# Altium PCB Brake Module PCB.PcbDoc (part 3 of 3)
Units mm, origin at the board's own origin, x right, y up, seen from the top; angles counter-clockwise.
Board outline 88.4 x 110.16 mm, 4 copper layers (Top Layer, Int1 (GND), Int2 (PWR), Bottom Layer), stack 1.369 mm thick; 168 components, 99 nets, 551 pads, 223 vias.
Unrouted connection lines stored in the file: 3.
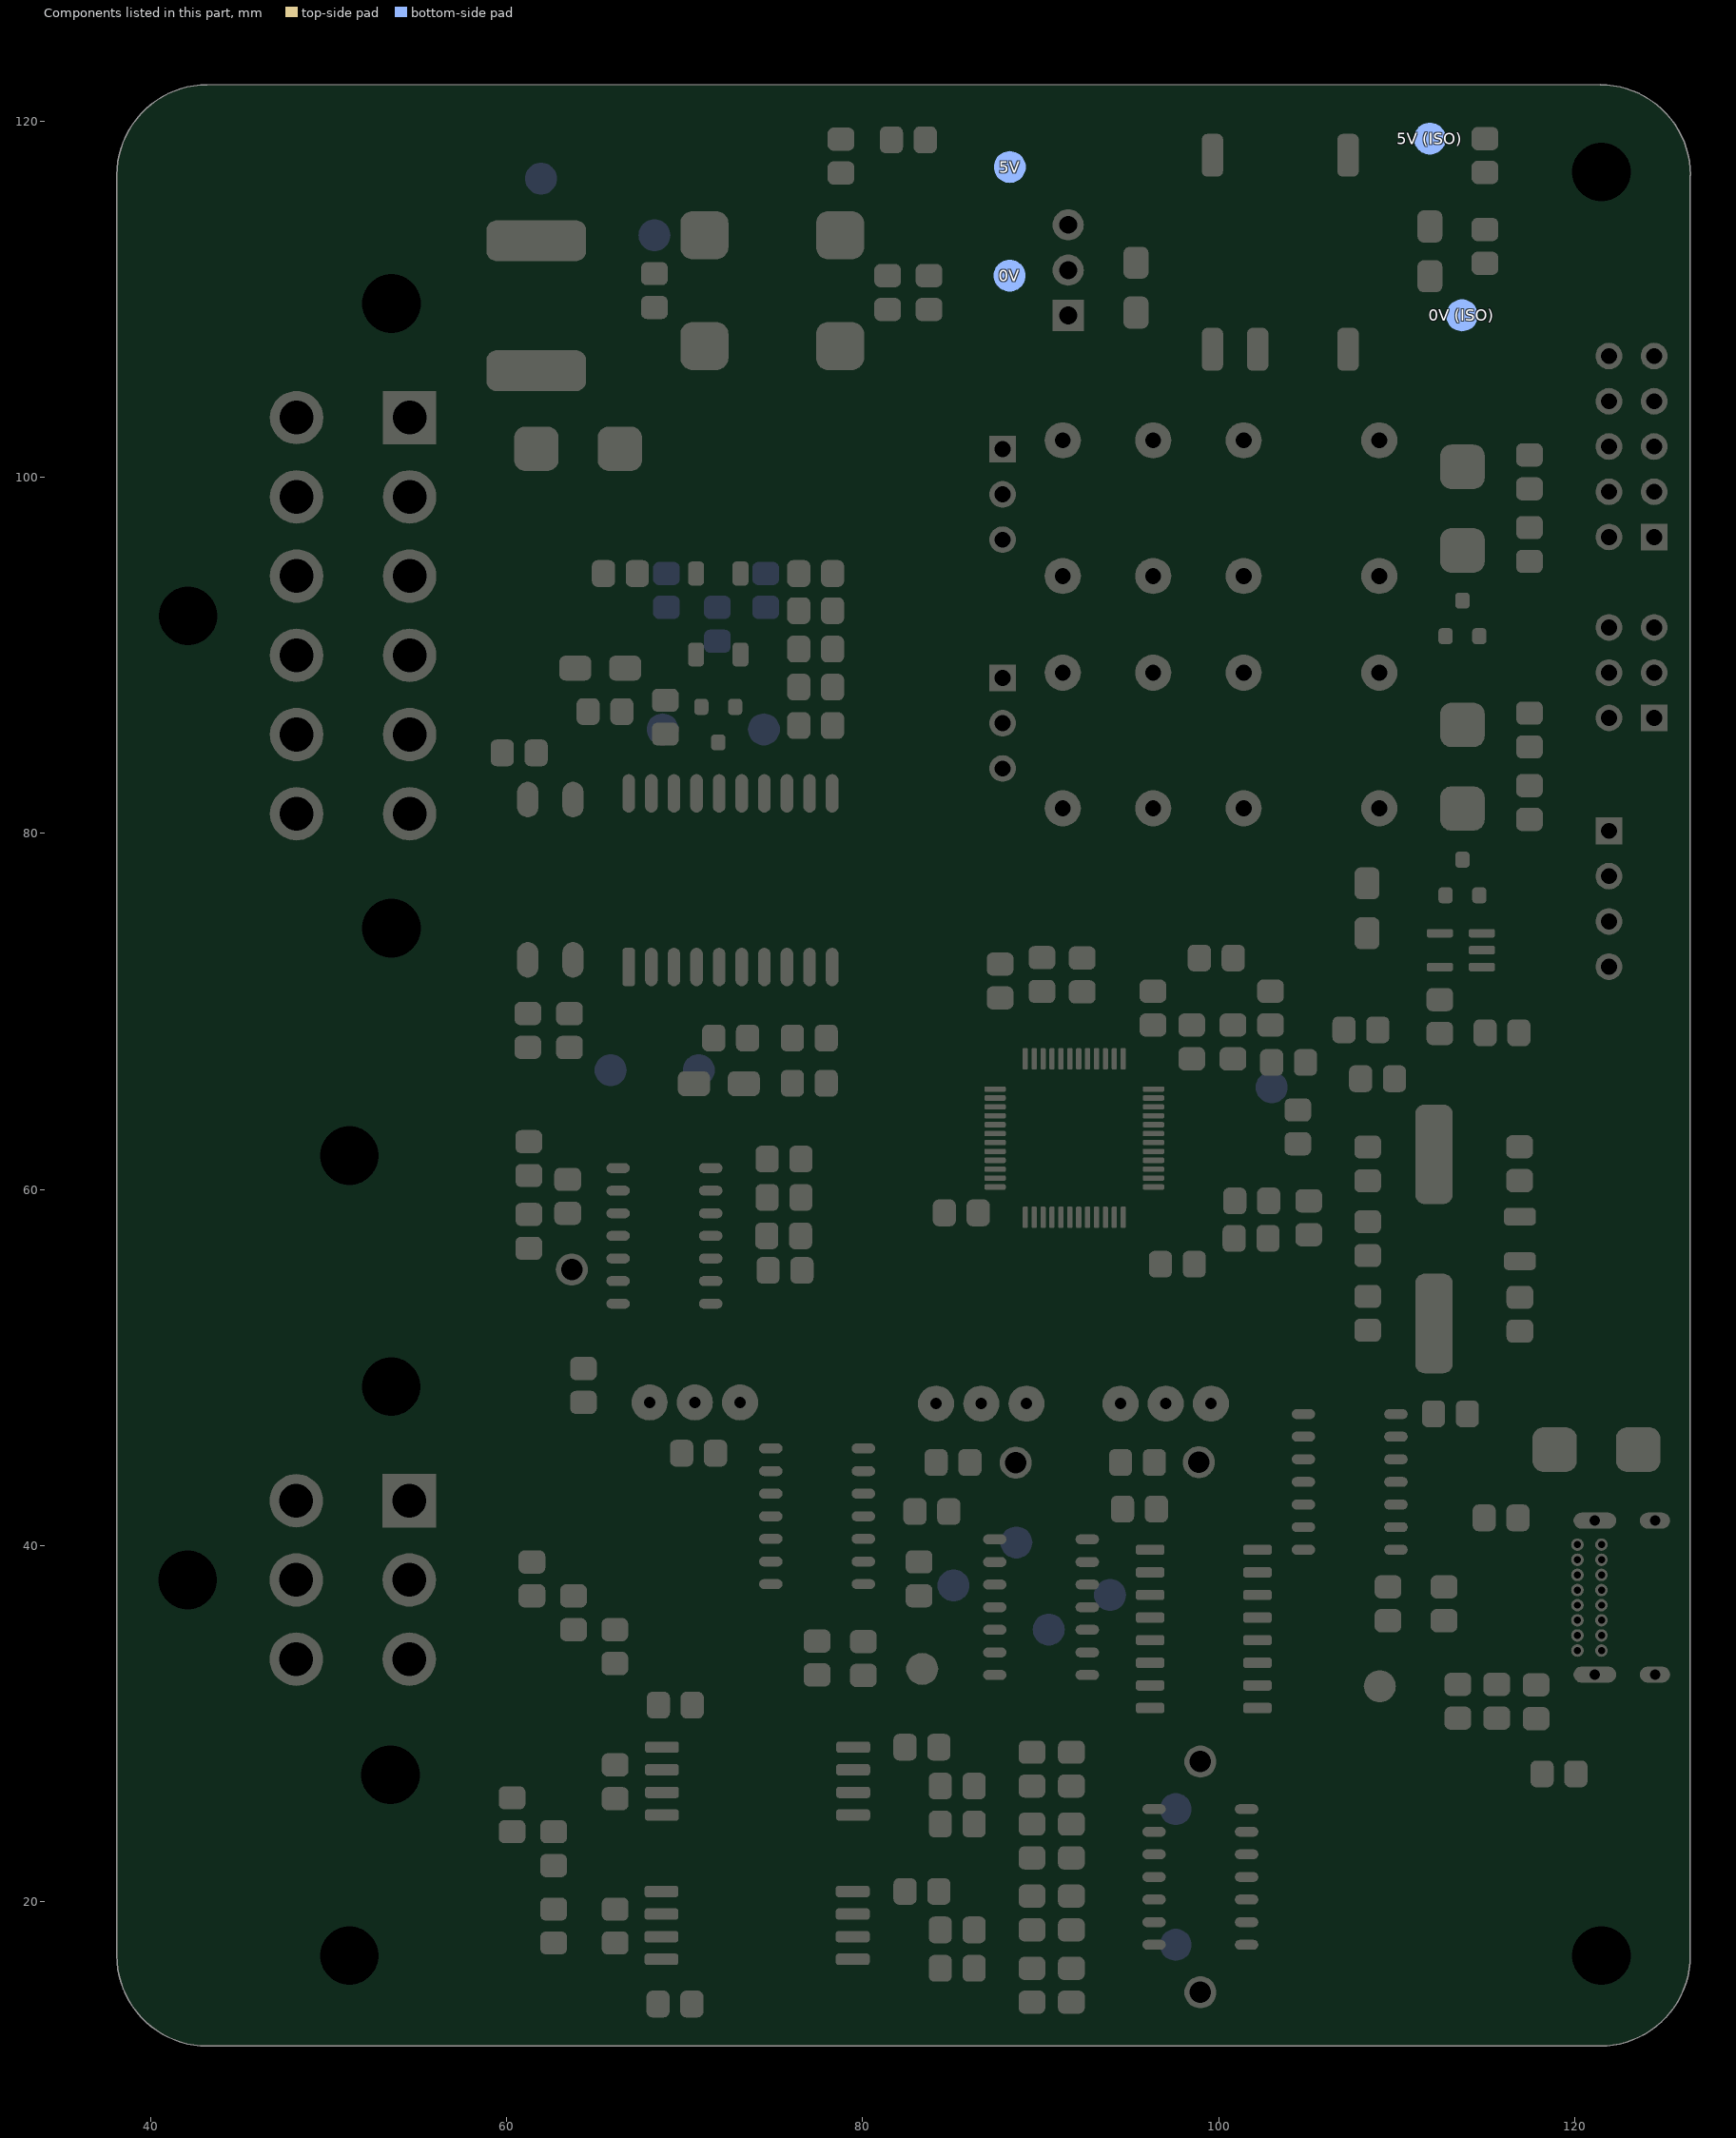
[diagram p5: the components of this part, seen from the top]

## Polygon pours and split planes (outlines as drawn)
"0V (ISO)" on Bottom Layer "0V_(ISO)_L04_P025" (solid, remove dead copper, pour order 25): 75.95,11.696 75.95,33.427 75.765,33.999 60.109,49.75 60.109,75.338 106.65,75.475 106.65,121.825 106.65,122.075 121.397,122.072 122.366,121.959 123.081,121.769 124.399,121.084 125.13,120.518 126.125,119.081 126.479,117.453 126.479,16.863 126.125,15.07 125.13,13.505 123.76,12.359 122.174,11.95 121.463,11.891
0V on Bottom Layer "0V_L04_P006" (solid, remove dead copper, pour order 6): 72.125,12 72.099,12.026 72.099,32.319 56.249,48.169 56.249,77.79 56.642,78.647 57.567,79.31 102.8,79.41 102.8,122.025 43.45,121.925 42.75,121.9 42.175,121.825 41.35,121.575 40.525,121.15 39.925,120.7 39.175,119.9 38.95,119.55 38.525,118.675 38.325,117.9 38.225,117.2 38.225,17.092 38.209,16.839 38.4,15.675 38.575,15.15 38.825,14.6 39.1,14.15 39.4,13.775 39.65,13.475 40.175,13.025 40.763,12.638 42,12.15 42.85,12.025 43.35,12.025
"0V (ISO)" on Top Layer "0V_(ISO)_L01_P021" (solid, remove dead copper, pour order 21): 75.95,11.696 75.95,33.427 75.765,33.999 60.109,49.75 60.109,75.338 106.65,75.475 106.65,121.825 106.65,122.075 121.397,122.072 122.366,121.959 123.081,121.769 124.399,121.084 125.13,120.518 126.125,119.081 126.479,117.453 126.479,16.863 126.125,15.07 125.13,13.505 123.76,12.359 122.174,11.95 121.463,11.891
0V on Top Layer "0V_L01_P019" (solid, remove dead copper, pour order 19): 72.096,11.844 72.07,11.871 72.07,32.163 56.22,48.013 56.22,77.634 56.614,78.492 57.539,79.154 102.771,79.255 102.771,121.869 43.421,121.769 42.721,121.744 42.146,121.669 41.321,121.419 40.496,120.994 39.896,120.544 39.146,119.744 38.921,119.394 38.496,118.519 38.296,117.744 38.196,117.044 38.196,16.937 38.18,16.683 38.371,15.519 38.546,14.994 38.796,14.444 39.071,13.994 39.371,13.619 39.621,13.319 40.146,12.869 40.734,12.482 41.971,11.994 42.821,11.869 43.321,11.869
no net on Top Layer "NONET_L01_P000" (solid, remove dead copper, pour order 0): 289.179,0.127
0V on Int1 (GND) (split plane): 102.782,79.311 58.191,79.311 58.001,79.302 57.812,79.274 57.628,79.228 57.448,79.163 57.276,79.082 57.112,78.984 56.959,78.87 56.818,78.742 56.69,78.601 56.576,78.448 56.478,78.285 56.397,78.112 56.333,77.933 56.286,77.748 56.258,77.559 56.249,77.369 56.249,48.92 56.258,48.739 56.258,48.73 56.286,48.541 56.333,48.357 56.397,48.177 56.478,48.005 56.576,47.841 56.69,47.688 56.818,47.547 72.099,32.266 72.099,12.398 43.18,12.398 43.162,12.396 42.881,12.405 42.583,12.434 42.288,12.483 41.997,12.551 41.71,12.638 41.43,12.743 41.158,12.867 40.894,13.008 40.64,13.166 40.397,13.34 40.166,13.53 39.947,13.734 39.743,13.953 39.553,14.184 39.379,14.427 39.221,14.681 39.08,14.945 38.956,15.218 38.851,15.498 38.764,15.784 38.696,16.075 38.647,16.37 38.618,16.668 38.609,16.949 38.61,16.967 38.61,116.967 38.609,116.985 38.618,117.266 38.647,117.564 38.696,117.859 38.764,118.151 38.851,118.437 38.956,118.717 39.08,118.989 39.221,119.253 39.379,119.507 39.553,119.751 39.743,119.982 39.947,120.2 40.166,120.405 40.397,120.594 40.64,120.769 40.894,120.927 41.158,121.068 41.43,121.191 41.71,121.297 41.997,121.383 42.288,121.451 42.583,121.5 42.881,121.529 43.162,121.539 43.18,121.537 43.183,121.537 102.782,121.539
"0V (ISO)" on Int1 (GND) (split plane): 121.422,121.537 121.422,121.539 121.452,121.538 121.455,121.538 121.721,121.529 122.019,121.5 122.314,121.451 122.606,121.383 122.892,121.297 123.172,121.191 123.444,121.068 123.708,120.927 123.962,120.769 124.205,120.594 124.437,120.405 124.655,120.2 124.86,119.982 125.049,119.751 125.224,119.507 125.382,119.253 125.523,118.989 125.646,118.717 125.751,118.437 125.838,118.151 125.906,117.859 125.955,117.564 125.984,117.266 125.991,117.063 125.982,116.967 125.982,16.967 125.983,16.949 125.974,16.668 125.945,16.37 125.896,16.075 125.828,15.784 125.741,15.498 125.636,15.218 125.512,14.945 125.371,14.681 125.213,14.427 125.039,14.184 124.849,13.953 124.645,13.734 124.426,13.53 124.195,13.34 123.952,13.166 123.698,13.008 123.434,12.867 123.162,12.743 122.882,12.638 122.595,12.551 122.304,12.483 122.009,12.434 121.711,12.405 121.43,12.396 121.412,12.398 75.983,12.398 75.983,33.071 75.974,33.252 75.974,33.261 75.946,33.45 75.9,33.635 75.835,33.814 75.754,33.986 75.695,34.084 75.656,34.15 75.542,34.303 75.53,34.316 75.414,34.444 60.134,49.725 60.134,75.427 104.724,75.427 104.915,75.436 105.103,75.464 105.288,75.51 105.467,75.574 105.64,75.656 105.803,75.754 105.956,75.867 106.098,75.995 106.226,76.137 106.339,76.29 106.437,76.453 106.519,76.626 106.583,76.805 106.629,76.99 106.657,77.179 106.667,77.369 106.667,121.539 121.395,121.54
5V on Int2 (PWR) (split plane): 102.782,79.311 58.191,79.311 58.001,79.302 57.812,79.274 57.628,79.228 57.448,79.163 57.276,79.082 57.112,78.984 56.959,78.87 56.818,78.742 56.69,78.601 56.576,78.448 56.478,78.285 56.397,78.112 56.333,77.933 56.286,77.748 56.258,77.559 56.249,77.369 56.249,48.92 56.258,48.73 56.286,48.541 56.333,48.357 56.397,48.177 56.478,48.005 56.576,47.841 56.69,47.688 56.818,47.547 72.099,32.266 72.099,12.398 43.18,12.398 43.162,12.396 42.881,12.405 42.583,12.434 42.288,12.483 41.997,12.551 41.71,12.638 41.43,12.743 41.158,12.867 40.894,13.008 40.64,13.166 40.397,13.34 40.166,13.53 39.947,13.734 39.743,13.953 39.553,14.184 39.379,14.427 39.221,14.681 39.08,14.945 38.956,15.218 38.851,15.498 38.764,15.784 38.696,16.075 38.647,16.37 38.618,16.668 38.609,16.949 38.61,16.967 38.61,116.967 38.609,116.985 38.618,117.266 38.647,117.564 38.696,117.859 38.764,118.151 38.851,118.437 38.956,118.717 39.08,118.989 39.221,119.253 39.379,119.507 39.553,119.751 39.743,119.982 39.947,120.2 40.166,120.405 40.397,120.594 40.64,120.769 40.894,120.927 41.158,121.068 41.43,121.191 41.71,121.297 41.997,121.383 42.288,121.451 42.583,121.5 42.881,121.529 43.162,121.539 43.18,121.537 43.183,121.537 102.782,121.539
"5V (ISO)" on Int2 (PWR) (split plane): 121.422,121.537 121.422,121.539 121.452,121.538 121.455,121.538 121.721,121.529 122.019,121.5 122.314,121.451 122.606,121.383 122.892,121.297 123.172,121.191 123.444,121.068 123.708,120.927 123.962,120.769 124.205,120.594 124.437,120.405 124.655,120.2 124.86,119.982 125.049,119.751 125.224,119.507 125.382,119.253 125.523,118.989 125.646,118.717 125.751,118.437 125.838,118.151 125.906,117.859 125.955,117.564 125.984,117.266 125.991,117.063 125.982,116.967 125.982,16.967 125.983,16.949 125.974,16.668 125.945,16.37 125.896,16.075 125.828,15.784 125.741,15.498 125.636,15.218 125.512,14.945 125.371,14.681 125.213,14.427 125.039,14.184 124.849,13.953 124.645,13.734 124.426,13.53 124.195,13.34 123.952,13.166 123.698,13.008 123.434,12.867 123.162,12.743 122.882,12.638 122.595,12.551 122.304,12.483 122.009,12.434 121.711,12.405 121.43,12.396 121.412,12.398 75.983,12.398 75.983,33.071 75.974,33.252 75.974,33.261 75.946,33.45 75.9,33.635 75.835,33.814 75.754,33.986 75.695,34.084 75.656,34.15 75.542,34.303 75.53,34.316 75.414,34.444 60.134,49.725 60.134,75.427 81.921,75.427 81.921,51.588 81.93,51.49 81.959,51.396 82.005,51.309 82.068,51.233 82.144,51.17 82.231,51.124 82.325,51.095 82.423,51.086 106.164,51.086 106.262,51.095 106.356,51.124 106.443,51.17 106.519,51.233 106.582,51.309 106.628,51.396 106.657,51.49 106.667,51.588 106.667,77.673 106.667,77.674 106.667,121.539 121.395,121.54
"3.3V (ISO)" on Int2 (PWR) (split plane): 105.662,52.09 82.925,52.09 82.925,75.427 104.724,75.427 104.915,75.436 105.103,75.464 105.288,75.51 105.467,75.574 105.64,75.656 105.662,75.669

## Other copper
Top Layer:
  region: 122.056,69.145 122.056,70.415 118.627,70.415 118.627,69.145
  region: 1693 vertices and 5 holes, not listed, extent 121.38,49.248 125.97,58.111
  region: 615 vertices and 0 holes, not listed, extent 122.214,56.242 124.952,58.261
  region: 122.481,55.14 122.481,55.257 122.498,55.257 122.498,55.357 122.515,55.357 122.531,55.357 122.531,55.457 122.548,55.457 122.548,55.357 122.531,55.357 122.531,55.273 122.515,55.273 122.515,55.257 122.498,55.257 122.498,55.14 122.481,55.14 122.481,55.04 122.465,55.04 122.465,55.14
  region: 123.733,53.421 123.733,53.437 123.75,53.437 123.767,53.437 123.767,53.454 123.783,53.454 123.8,53.454 123.8,53.471 123.817,53.471 123.833,53.471 123.85,53.471 123.867,53.471 123.884,53.471 123.884,53.487 123.9,53.487 123.917,53.487 123.934,53.487 123.934,53.471 123.95,53.471 123.967,53.471 123.984,53.471 124,53.471 124.017,53.471 124.034,53.471 124.034,53.454 124.017,53.454 124,53.454 123.984,53.454 123.967,53.454 123.95,53.454 123.934,53.454 123.917,53.454 123.9,53.454 123.884,53.454 123.867,53.454 123.85,53.454 123.833,53.454 123.817,53.454 123.817,53.437 123.8,53.437 123.783,53.437 123.783,53.421 123.767,53.421 123.75,53.421 123.733,53.421 123.733,53.404 123.717,53.404 123.717,53.421
  region: 123.233,54.973 123.233,54.839 123.249,54.839 123.249,54.689 123.266,54.689 123.266,54.673 123.283,54.673 123.283,54.539 123.299,54.539 123.299,54.405 123.316,54.405 123.316,54.289 123.333,54.289 123.333,54.172 123.349,54.172 123.349,54.122 123.366,54.122 123.366,54.038 123.383,54.038 123.383,53.938 123.399,53.938 123.399,53.838 123.416,53.838 123.416,53.738 123.433,53.738 123.433,53.704 123.45,53.704 123.45,53.638 123.466,53.638 123.466,53.554 123.483,53.554 123.483,53.504 123.5,53.504 123.5,53.437 123.516,53.437 123.516,53.421 123.533,53.421 123.55,53.421 123.55,53.404 123.566,53.404 123.583,53.404 123.6,53.404 123.616,53.404 123.633,53.404 123.65,53.404 123.667,53.404 123.683,53.404 123.683,53.387 123.667,53.387 123.65,53.387 123.633,53.387 123.616,53.387 123.6,53.387 123.583,53.387 123.566,53.387 123.55,53.387 123.533,53.387 123.516,53.387 123.516,53.337 123.533,53.337 123.533,53.27 123.516,53.27 123.516,53.287 123.5,53.287 123.5,53.354 123.483,53.354 123.483,53.437 123.466,53.437 123.466,53.521 123.45,53.521 123.45,53.588 123.433,53.588 123.433,53.638 123.416,53.638 123.416,53.721 123.399,53.721 123.399,53.805 123.383,53.805 123.383,53.921 123.366,53.921 123.366,54.005 123.349,54.005 123.349,54.038 123.333,54.038 123.333,54.138 123.316,54.138 123.316,54.255 123.299,54.255 123.299,54.372 123.283,54.372 123.283,54.489 123.266,54.489 123.266,54.539 123.249,54.539 123.249,54.673 123.233,54.673 123.233,54.823 123.216,54.823 123.216,54.973
  region: 121.814,53.671 121.814,53.754 121.83,53.754 121.83,53.855 121.847,53.855 121.864,53.855 121.864,53.971 121.88,53.971 121.88,54.188 121.897,54.188 121.897,54.138 121.914,54.138 121.914,54.122 121.931,54.122 121.931,54.105 121.947,54.105 121.947,54.072 121.964,54.072 121.964,54.055 121.981,54.055 121.981,54.022 121.964,54.022 121.964,54.038 121.947,54.038 121.947,53.988 121.931,53.988 121.931,53.971 121.947,53.971 121.947,53.921 121.931,53.921 121.931,53.871 121.914,53.871 121.914,53.671 121.897,53.671 121.897,53.571 121.914,53.571 121.914,53.487 121.931,53.487 121.947,53.487 121.947,53.471 121.964,53.471 121.964,53.454 121.981,53.454 121.997,53.454 122.014,53.454 122.031,53.454 122.047,53.454 122.064,53.454 122.064,53.471 122.081,53.471 122.081,53.487 122.097,53.487 122.097,53.504 122.114,53.504 122.114,53.537 122.131,53.537 122.131,53.638 122.148,53.638 122.148,53.571 122.164,53.571 122.164,53.404 122.181,53.404 122.181,53.387 122.198,53.387 122.198,53.371 122.214,53.371 122.231,53.371 122.248,53.371 122.264,53.371 122.264,53.354 122.248,53.354 122.248,53.337 122.231,53.337 122.231,53.32 122.214,53.32 122.214,53.304 122.198,53.304 122.198,53.287 122.181,53.287 122.181,53.27 122.164,53.27 122.164,53.254 122.148,53.254 122.131,53.254 122.131,53.237 122.114,53.237 122.097,53.237 122.081,53.237 122.081,53.22 122.064,53.22 122.047,53.22 122.031,53.22 122.014,53.22 121.997,53.22 121.981,53.22 121.964,53.22 121.964,53.237 121.947,53.237 121.931,53.237 121.931,53.254 121.914,53.254 121.897,53.254 121.897,53.287 121.88,53.287 121.88,53.304 121.864,53.304 121.864,53.32 121.847,53.32 121.847,53.337 121.83,53.337 121.83,53.371 121.814,53.371 121.814,53.421 121.797,53.421 121.797,53.671
  region: 122.648,55.924 122.648,55.991 122.665,55.991 122.665,56.075 122.682,56.075 122.682,56.091 122.698,56.091 122.698,56.175 122.715,56.175 122.715,56.225 122.732,56.225 122.732,56.175 122.715,56.175 122.715,56.091 122.698,56.091 122.698,56.025 122.682,56.025 122.682,55.991 122.665,55.991 122.665,55.924 122.648,55.924 122.648,55.841 122.632,55.841 122.632,55.924
  region: 122.565,55.557 122.565,55.641 122.582,55.641 122.582,55.724 122.598,55.724 122.598,55.741 122.615,55.741 122.615,55.824 122.632,55.824 122.632,55.741 122.615,55.741 122.615,55.657 122.598,55.657 122.598,55.641 122.582,55.641 122.582,55.557 122.565,55.557 122.565,55.474 122.548,55.474 122.548,55.557
  region: 123.182,55.307 123.182,55.257 123.199,55.257 123.199,55.14 123.182,55.14 123.182,55.19 123.166,55.19 123.166,55.307
  region: 123.633,53.921 123.633,53.938 123.65,53.938 123.65,53.921 123.633,53.921 123.633,53.888 123.616,53.888 123.616,53.921
  region: 123.683,53.905 123.7,53.905 123.717,53.905 123.717,53.938 123.733,53.938 123.733,53.871 123.75,53.871 123.767,53.871 123.783,53.871 123.783,53.971 123.8,53.971 123.8,53.921 123.817,53.921 123.817,53.888 123.833,53.888 123.833,53.855 123.85,53.855 123.85,53.838 123.833,53.838 123.817,53.838 123.817,53.855 123.8,53.855 123.783,53.855 123.767,53.855 123.75,53.855 123.733,53.855 123.733,53.838 123.717,53.838 123.717,53.821 123.7,53.821 123.683,53.821 123.683,53.838 123.667,53.838 123.667,53.905
  region: 123.616,54.005 123.616,54.022 123.633,54.022 123.633,54.005 123.616,54.005 123.616,53.971 123.6,53.971 123.6,54.005
  region: 123.6,54.239 123.616,54.239 123.616,54.205 123.633,54.205 123.633,54.188 123.65,54.188 123.65,54.155 123.633,54.155 123.633,54.172 123.616,54.172 123.616,54.188 123.6,54.188 123.6,54.205 123.583,54.205 123.583,54.239
  region: 123.6,53.02 123.616,53.02 123.616,52.953 123.6,52.953 123.6,52.987 123.583,52.987 123.583,53.02
  region: 191 vertices and 1 holes, not listed, extent 122.899,51.384 123.566,52.603
  region: 123.75,52.603 123.75,52.553 123.767,52.553 123.767,52.536 123.75,52.536 123.733,52.536 123.733,52.603
  region: 123.683,52.77 123.683,52.753 123.7,52.753 123.7,52.703 123.683,52.703 123.683,52.72 123.667,52.72 123.667,52.77
  region: 122.415,54.756 122.415,54.89 122.431,54.89 122.431,54.906 122.448,54.906 122.448,55.023 122.465,55.023 122.465,54.906 122.448,54.906 122.448,54.773 122.431,54.773 122.431,54.756 122.415,54.756 122.415,54.622 122.398,54.622 122.398,54.756
  region: 122.014,54.005 122.014,53.988 122.031,53.988 122.031,53.971 122.014,53.971 121.997,53.971 121.997,54.005
  region: 96.133,61.138
  region net NetC5_2: 70.612,89.893
  region: 68.694,20.574
  pour cut-out: 121,12.85 120.425,12.975 119.725,13.25 118.95,13.725 118.112,14.562 117.675,15.35 117.4,16.55 117.4,17.225 117.525,18.05 118.037,19.338 118.7,20 119.4,20.525 120.35,20.925 121.75,21.075 122.75,20.9 123.45,20.625 124.525,19.8 124.975,19.225 125.425,18.325 125.625,17.375 125.65,16.7 125.525,16 125.2,15.1 124.2,13.85 123.525,13.35 122.575,12.95 121.803,12.822
  pour cut-out: 121.025,113.125 120.45,113.25 119.75,113.525 118.975,114 118.137,114.837 117.7,115.625 117.425,116.825 117.425,117.5 117.55,118.325 118.062,119.613 118.725,120.275 119.425,120.8 120.375,121.2 121.775,121.35 122.775,121.175 123.475,120.9 124.55,120.075 125,119.5 125.45,118.6 125.65,117.65 125.675,116.975 125.55,116.275 125.225,115.375 124.225,114.125 123.55,113.625 122.6,113.225 121.828,113.097
  text "15/04/2020 - T.B." at 123.783,63.62 h1.02 r90
  text "Brake Module R4" at 122.843,63.445 h1.02 r90
  text "Formula SAE" at 121.956,59.494 h1.78 r90
  text "Team Swinburne" at 120.559,48.301 h3.05 r90
Bottom Layer:
  region: 122.056,69.145 122.056,70.415 118.627,70.415 118.627,69.145
  region: 1693 vertices and 5 holes, not listed, extent 121.38,49.248 125.97,58.111
  region: 615 vertices and 0 holes, not listed, extent 122.214,56.242 124.952,58.261
  region: 121.814,53.671 121.814,53.754 121.83,53.754 121.83,53.855 121.847,53.855 121.864,53.855 121.864,53.971 121.88,53.971 121.88,54.188 121.897,54.188 121.897,54.138 121.914,54.138 121.914,54.122 121.931,54.122 121.931,54.105 121.947,54.105 121.947,54.072 121.964,54.072 121.964,54.055 121.981,54.055 121.981,54.022 121.964,54.022 121.964,54.038 121.947,54.038 121.947,53.988 121.931,53.988 121.931,53.971 121.947,53.971 121.947,53.921 121.931,53.921 121.931,53.871 121.914,53.871 121.914,53.671 121.897,53.671 121.897,53.571 121.914,53.571 121.914,53.487 121.931,53.487 121.947,53.487 121.947,53.471 121.964,53.471 121.964,53.454 121.981,53.454 121.997,53.454 122.014,53.454 122.031,53.454 122.047,53.454 122.064,53.454 122.064,53.471 122.081,53.471 122.081,53.487 122.097,53.487 122.097,53.504 122.114,53.504 122.114,53.537 122.131,53.537 122.131,53.638 122.148,53.638 122.148,53.571 122.164,53.571 122.164,53.404 122.181,53.404 122.181,53.387 122.198,53.387 122.198,53.371 122.214,53.371 122.231,53.371 122.248,53.371 122.264,53.371 122.264,53.354 122.248,53.354 122.248,53.337 122.231,53.337 122.231,53.32 122.214,53.32 122.214,53.304 122.198,53.304 122.198,53.287 122.181,53.287 122.181,53.27 122.164,53.27 122.164,53.254 122.148,53.254 122.131,53.254 122.131,53.237 122.114,53.237 122.097,53.237 122.081,53.237 122.081,53.22 122.064,53.22 122.047,53.22 122.031,53.22 122.014,53.22 121.997,53.22 121.981,53.22 121.964,53.22 121.964,53.237 121.947,53.237 121.931,53.237 121.931,53.254 121.914,53.254 121.897,53.254 121.897,53.287 121.88,53.287 121.88,53.304 121.864,53.304 121.864,53.32 121.847,53.32 121.847,53.337 121.83,53.337 121.83,53.371 121.814,53.371 121.814,53.421 121.797,53.421 121.797,53.671
  region: 122.565,55.557 122.565,55.641 122.582,55.641 122.582,55.724 122.598,55.724 122.598,55.741 122.615,55.741 122.615,55.824 122.632,55.824 122.632,55.741 122.615,55.741 122.615,55.657 122.598,55.657 122.598,55.641 122.582,55.641 122.582,55.557 122.565,55.557 122.565,55.474 122.548,55.474 122.548,55.557
  region: 123.233,54.973 123.233,54.839 123.249,54.839 123.249,54.689 123.266,54.689 123.266,54.673 123.283,54.673 123.283,54.539 123.299,54.539 123.299,54.405 123.316,54.405 123.316,54.289 123.333,54.289 123.333,54.172 123.349,54.172 123.349,54.122 123.366,54.122 123.366,54.038 123.383,54.038 123.383,53.938 123.399,53.938 123.399,53.838 123.416,53.838 123.416,53.738 123.433,53.738 123.433,53.704 123.45,53.704 123.45,53.638 123.466,53.638 123.466,53.554 123.483,53.554 123.483,53.504 123.5,53.504 123.5,53.437 123.516,53.437 123.516,53.421 123.533,53.421 123.55,53.421 123.55,53.404 123.566,53.404 123.583,53.404 123.6,53.404 123.616,53.404 123.633,53.404 123.65,53.404 123.667,53.404 123.683,53.404 123.683,53.387 123.667,53.387 123.65,53.387 123.633,53.387 123.616,53.387 123.6,53.387 123.583,53.387 123.566,53.387 123.55,53.387 123.533,53.387 123.516,53.387 123.516,53.337 123.533,53.337 123.533,53.27 123.516,53.27 123.516,53.287 123.5,53.287 123.5,53.354 123.483,53.354 123.483,53.437 123.466,53.437 123.466,53.521 123.45,53.521 123.45,53.588 123.433,53.588 123.433,53.638 123.416,53.638 123.416,53.721 123.399,53.721 123.399,53.805 123.383,53.805 123.383,53.921 123.366,53.921 123.366,54.005 123.349,54.005 123.349,54.038 123.333,54.038 123.333,54.138 123.316,54.138 123.316,54.255 123.299,54.255 123.299,54.372 123.283,54.372 123.283,54.489 123.266,54.489 123.266,54.539 123.249,54.539 123.249,54.673 123.233,54.673 123.233,54.823 123.216,54.823 123.216,54.973
  region: 191 vertices and 1 holes, not listed, extent 122.899,51.384 123.566,52.603
  region: 122.648,55.924 122.648,55.991 122.665,55.991 122.665,56.075 122.682,56.075 122.682,56.091 122.698,56.091 122.698,56.175 122.715,56.175 122.715,56.225 122.732,56.225 122.732,56.175 122.715,56.175 122.715,56.091 122.698,56.091 122.698,56.025 122.682,56.025 122.682,55.991 122.665,55.991 122.665,55.924 122.648,55.924 122.648,55.841 122.632,55.841 122.632,55.924
  region: 122.415,54.756 122.415,54.89 122.431,54.89 122.431,54.906 122.448,54.906 122.448,55.023 122.465,55.023 122.465,54.906 122.448,54.906 122.448,54.773 122.431,54.773 122.431,54.756 122.415,54.756 122.415,54.622 122.398,54.622 122.398,54.756
  region: 122.481,55.14 122.481,55.257 122.498,55.257 122.498,55.357 122.515,55.357 122.531,55.357 122.531,55.457 122.548,55.457 122.548,55.357 122.531,55.357 122.531,55.273 122.515,55.273 122.515,55.257 122.498,55.257 122.498,55.14 122.481,55.14 122.481,55.04 122.465,55.04 122.465,55.14
  region: 123.182,55.307 123.182,55.257 123.199,55.257 123.199,55.14 123.182,55.14 123.182,55.19 123.166,55.19 123.166,55.307
  region: 123.633,53.921 123.633,53.938 123.65,53.938 123.65,53.921 123.633,53.921 123.633,53.888 123.616,53.888 123.616,53.921
  region: 123.683,53.905 123.7,53.905 123.717,53.905 123.717,53.938 123.733,53.938 123.733,53.871 123.75,53.871 123.767,53.871 123.783,53.871 123.783,53.971 123.8,53.971 123.8,53.921 123.817,53.921 123.817,53.888 123.833,53.888 123.833,53.855 123.85,53.855 123.85,53.838 123.833,53.838 123.817,53.838 123.817,53.855 123.8,53.855 123.783,53.855 123.767,53.855 123.75,53.855 123.733,53.855 123.733,53.838 123.717,53.838 123.717,53.821 123.7,53.821 123.683,53.821 123.683,53.838 123.667,53.838 123.667,53.905
  region: 123.616,54.005 123.616,54.022 123.633,54.022 123.633,54.005 123.616,54.005 123.616,53.971 123.6,53.971 123.6,54.005
  region: 123.6,54.239 123.616,54.239 123.616,54.205 123.633,54.205 123.633,54.188 123.65,54.188 123.65,54.155 123.633,54.155 123.633,54.172 123.616,54.172 123.616,54.188 123.6,54.188 123.6,54.205 123.583,54.205 123.583,54.239
  region: 123.733,53.421 123.733,53.437 123.75,53.437 123.767,53.437 123.767,53.454 123.783,53.454 123.8,53.454 123.8,53.471 123.817,53.471 123.833,53.471 123.85,53.471 123.867,53.471 123.884,53.471 123.884,53.487 123.9,53.487 123.917,53.487 123.934,53.487 123.934,53.471 123.95,53.471 123.967,53.471 123.984,53.471 124,53.471 124.017,53.471 124.034,53.471 124.034,53.454 124.017,53.454 124,53.454 123.984,53.454 123.967,53.454 123.95,53.454 123.934,53.454 123.917,53.454 123.9,53.454 123.884,53.454 123.867,53.454 123.85,53.454 123.833,53.454 123.817,53.454 123.817,53.437 123.8,53.437 123.783,53.437 123.783,53.421 123.767,53.421 123.75,53.421 123.733,53.421 123.733,53.404 123.717,53.404 123.717,53.421
  region: 123.6,53.02 123.616,53.02 123.616,52.953 123.6,52.953 123.6,52.987 123.583,52.987 123.583,53.02
  region: 123.75,52.603 123.75,52.553 123.767,52.553 123.767,52.536 123.75,52.536 123.733,52.536 123.733,52.603
  region: 123.683,52.77 123.683,52.753 123.7,52.753 123.7,52.703 123.683,52.703 123.683,52.72 123.667,52.72 123.667,52.77
  region: 122.014,54.005 122.014,53.988 122.031,53.988 122.031,53.971 122.014,53.971 121.997,53.971 121.997,54.005
  region net NRST: 102.794,66.853
  pour cut-out: 50.657,21.113 52.5,20.875 53.85,20.125 54.438,19.438 54.9,18.896 55.113,18.263 55.288,16.838 54.95,15.425 54.338,14.413 53.738,13.738 52.063,12.913 50.825,12.8 49.412,13.187 48.163,14.1 47.563,14.975 47.125,16.025 47.125,17.975 47.675,19.225 49.125,20.575
  pour cut-out: 53.95,13.975
  pour cut-out: 50.612,65.913 52.455,65.675 53.805,64.925 54.392,64.238 54.855,63.696 55.067,63.063 55.242,61.638 54.905,60.225 54.292,59.213 53.692,58.538 52.017,57.713 50.78,57.6 49.367,57.988 48.117,58.9 47.517,59.775 47.08,60.825 47.08,62.775 47.63,64.025 49.08,65.375
  pour cut-out: 50.629,20.957 52.471,20.719 53.821,19.969 54.409,19.282 54.871,18.741 55.084,18.107 55.259,16.682 54.921,15.269 54.309,14.257 53.709,13.582 52.034,12.757 50.796,12.644 49.384,13.032 48.134,13.944 47.534,14.819 47.096,15.869 47.096,17.819 47.646,19.069 49.096,20.419
  pour cut-out: 120.775,12.8 120.2,12.925 119.5,13.2 118.725,13.675 117.887,14.512 117.45,15.3 117.175,16.5 117.175,17.175 117.3,18 117.812,19.288 118.475,19.95 119.175,20.475 120.125,20.875 121.525,21.025 122.525,20.85 123.225,20.575 124.3,19.75 124.75,19.175 125.2,18.275 125.4,17.325 125.425,16.65 125.3,15.95 124.975,15.05 123.975,13.8 123.3,13.3 122.35,12.9 121.578,12.772
  pour cut-out: 120.8,113.075 120.225,113.2 119.525,113.475 118.75,113.95 117.912,114.787 117.475,115.575 117.2,116.775 117.2,117.45 117.325,118.275 117.837,119.563 118.5,120.225 119.2,120.75 120.15,121.15 121.55,121.3 122.55,121.125 123.25,120.85 124.325,120.025 124.775,119.45 125.225,118.55 125.425,117.6 125.45,116.925 125.325,116.225 125,115.325 124,114.075 123.325,113.575 122.375,113.175 121.603,113.047
  pour cut-out: 50.612,65.757 52.455,65.519 53.805,64.769 54.392,64.082 54.855,63.541 55.067,62.907 55.242,61.482 54.905,60.069 54.292,59.057 53.692,58.382 52.017,57.557 50.78,57.444 49.367,57.832 48.117,58.744 47.517,59.619 47.08,60.669 47.08,62.619 47.63,63.869 49.08,65.219
  text "15/04/2020 - T.B." at 123.783,63.62 h1.02 r90
  text "Brake Module R4" at 122.843,63.445 h1.02 r90
  text "Formula SAE" at 121.956,59.494 h1.78 r90
  text "Team Swinburne" at 120.559,48.301 h3.05 r90
Int1 (GND) (plane layer: these items are gaps in the copper):
  lines w3.88: 74.041,10.16 74.041,33.071 58.191,48.92 58.191,77.369 104.724,77.369 104.724,123.318
Int2 (PWR) (plane layer: these items are gaps in the copper):
  lines w1: 82.423,77.394 82.423,51.588 106.164,51.588 106.164,77.673
  lines w3.88: 74.041,10.16 74.041,33.071 58.191,48.92 58.191,77.369 104.724,77.369 104.724,123.318

## Silkscreen, mask and mechanical layers (free items; w line width, h text height)
Top Overlay:
  drawing of 40 lines, arcs and shapes, not listed
  text "DELAY" at 85.954,98.4 h1 r90
  text "OKAY" at 85.877,86.563 h1 r90
  text "15/04/2020 - T.B." at 123.783,63.62 h1.02 r90
  text "Brake Module R4" at 122.843,63.445 h1.02 r90
  text "TIMER" at 62.789,63.246 h1
  text "Formula SAE" at 121.956,59.494 h1.78 r90
  text "LOW" at 88.349,52.857 h1
  text "HIGH" at 97.879,52.857 h1
  text "AND" at 105.461,48.666 h1
  text "Team Swinburne" at 120.559,48.301 h3.05 r90
  text "COMPARATOR" at 65.917,44.704 h1 r315
  text "NAND" at 88.189,41.631 h1
  text "SHFT" at 98.323,40.919 h1
  text "BSPD" at 107.29,29.456 h1.52
  text "S1" at 95.301,27.364 h1
  text "S2" at 95.134,14.41 h1
Bottom Overlay:
  circle w2.5: c121.5,16.967 r2.9
  circle w2.5: c51.161,16.967 r2.9
  circle w2.5: c51.161,61.795 r2.9
  circle w2.5: c121.5,117.15 r2.9
  lines w1: 82.423,77.369 82.423,51.588 106.164,51.588 106.164,77.673
  lines w3.88: 74.041,10.16 74.041,33.071 58.191,48.92 58.191,77.369 104.724,77.369 104.724,123.241
Drill Drawing:
  circle w0.254: c40.106,184.477 r0.508
  circle w0.254: c40.106,184.477 r0.847
  circle w0.254: c40.106,153.997 r0.847
  lines w0.254: 39.259,145.53 40.953,145.53 40.953,147.223 39.259,147.223 39.259,145.53 ; 39.259,149.763 39.683,149.763 40.106,149.34 40.529,149.763 40.953,149.763 40.529,150.187 40.953,150.61 40.529,150.61 40.106,151.033 39.683,150.61 39.259,150.61 39.683,150.187 39.259,149.763 ; 39.259,156.96 40.106,157.383 40.953,156.96 40.529,157.807 40.953,158.653 40.106,158.23 39.259,158.653 39.683,157.807 39.259,156.96 ; 39.259,162.463 40.953,162.463 40.106,160.77 39.259,162.463 ; 39.259,165.003 39.683,165.003 39.683,164.58 40.529,164.58 40.529,165.003 40.953,165.003 40.953,165.85 40.529,165.85 40.529,166.273 39.683,166.273 39.683,165.85 39.259,165.85 39.259,165.003 ; 39.259,168.39 39.259,168.813 39.683,169.237 39.259,169.66 39.259,170.083 39.683,170.083 40.106,169.66 40.529,170.083 40.953,170.083 40.953,169.66 40.529,169.237 40.953,168.813 40.953,168.39 40.529,168.39 40.106,168.813 39.683,168.39 39.259,168.39 ; 39.259,172.2 40.106,172.623 40.953,172.2 40.529,173.047 40.953,173.893 40.106,173.47 39.259,173.893 39.683,173.047 39.259,172.2 ; 39.259,176.857 40.106,176.01 40.953,176.857 40.106,177.703 39.259,176.857 ; 39.259,179.82 40.953,179.82 40.953,181.513 39.259,181.513 39.259,179.82 ; 39.259,189.133 40.953,189.133 40.106,187.44 39.259,189.133 ; 39.598,172.539 40.106,172.793 40.614,172.539 40.36,173.047 40.614,173.555 40.106,173.301 39.598,173.555 39.852,173.047 39.598,172.539 ; 39.598,180.159 40.614,180.159 40.614,181.175 39.598,181.175 39.598,180.159 ; 39.598,188.795 40.614,188.795 40.106,187.779 39.598,188.795
  lines w0.381: 37.741,140.577 319.449,140.577 ; 37.741,190.107 319.449,190.107 ; 51.733,136.767 51.733,193.917 ; 66.969,136.767 66.969,193.917 ; 96.17,136.767 96.17,193.917 ; 109.019,136.767 109.019,193.917 ; 127.658,136.767 127.658,193.917 ; 165.747,136.767 165.747,193.917 ; 180.729,136.767 180.729,193.917 ; 199.672,136.767 199.672,193.917 ; 228.873,136.767 228.873,193.917 ; 250.559,136.767 250.559,193.917 ; 284.433,136.767 284.433,193.917 ; 37.741,136.767 319.449,136.767 319.449,193.917 37.741,193.917 37.741,136.767
  text "Symbol" at 40.027,191.25 h1.83
  text "Count" at 52.876,191.25 h1.83
  text "Hole Size" at 68.112,191.25 h1.83
  text "Plated" at 97.313,191.25 h1.83
  text "Hole Type" at 110.162,191.25 h1.83
  text "Drill Layer Pair" at 128.801,191.25 h1.83
  text "Via/Pad" at 166.89,191.25 h1.83
  text "Pad Shape" at 181.872,191.25 h1.83
  text "Template" at 200.815,191.25 h1.83
  text "Description" at 230.016,191.25 h1.83
  text "Hole Tolerance (+)" at 251.702,191.25 h1.83
  text "Hole Tolerance (-)" at 285.576,191.25 h1.83
  text "1" at 52.876,187.44 h1.52
  text "10.04mil (0.255mm)" at 68.112,187.44 h1.52
  text "PTH" at 97.313,187.44 h1.52
  text "Round" at 110.162,187.44 h1.52
  text "Top Layer - Bottom Layer" at 128.801,187.44 h1.52
  text "Via" at 166.89,187.44 h1.52
  text "Rounded" at 181.872,187.44 h1.52
  text "v50h26m0mx0" at 200.815,187.44 h1.52
  text "2" at 52.876,183.63 h1.52
  text "23.62mil (0.600mm)" at 68.112,183.63 h1.52
  text "PTH" at 97.313,183.63 h1.52
  text "Slot" at 110.162,183.63 h1.52
  text "Top Layer - Bottom Layer" at 128.801,183.63 h1.52
  text "Pad" at 166.89,183.63 h1.52
  text "Rounded" at 181.872,183.63 h1.52
  text "r170_90h60_140r100" at 200.815,183.63 h1.52
  text "2" at 52.876,179.82 h1.52
  text "23.62mil (0.600mm)" at 68.112,179.82 h1.52
  text "PTH" at 97.313,179.82 h1.52
  text "Slot" at 110.162,179.82 h1.52
  text "Top Layer - Bottom Layer" at 128.801,179.82 h1.52
  text "Pad" at 166.89,179.82 h1.52
  text "Rounded" at 181.872,179.82 h1.52
  text "r240_90h60_210r100" at 200.815,179.82 h1.52
  text "2" at 52.876,176.01 h1.52
  text "28.00mil (0.711mm)" at 68.112,176.01 h1.52
  text "PTH" at 97.313,176.01 h1.52
  text "Round" at 110.162,176.01 h1.52
  text "Top Layer - Bottom Layer" at 128.801,176.01 h1.52
  text "Via" at 166.89,176.01 h1.52
  text "Rounded" at 181.872,176.01 h1.52
  text "v127h71m0mx0" at 200.815,176.01 h1.52
  text "3" at 52.876,172.2 h1.52
  text "39.37mil (1.000mm)" at 68.112,172.2 h1.52
  text "PTH" at 97.313,172.2 h1.52
  text "Round" at 110.162,172.2 h1.52
  text "Top Layer - Bottom Layer" at 128.801,172.2 h1.52
  text "Pad" at 166.89,172.2 h1.52
  text "(Mixed)" at 181.872,172.2 h1.52
  text "(Mixed)" at 200.815,172.2 h1.52
  text "4" at 52.876,168.39 h1.52
  text "129.92mil (3.300mm)" at 68.112,168.39 h1.52
  text "PTH" at 97.313,168.39 h1.52
  text "Round" at 110.162,168.39 h1.52
  text "Top Layer - Bottom Layer" at 128.801,168.39 h1.52
  text "Pad" at 166.89,168.39 h1.52
  text "Rounded" at 181.872,168.39 h1.52
  text "c152h330" at 200.815,168.39 h1.52
  text "5" at 52.876,164.58 h1.52
  text "47.24mil (1.200mm)" at 68.112,164.58 h1.52
  text "PTH" at 97.313,164.58 h1.52
  text "Round" at 110.162,164.58 h1.52
  text "Top Layer - Bottom Layer" at 128.801,164.58 h1.52
  text "Pad" at 166.89,164.58 h1.52
  text "Rounded" at 181.872,164.58 h1.52
  text "c180h120" at 200.815,164.58 h1.52
  text "6" at 52.876,160.77 h1.52
  text "129.92mil (3.300mm)" at 68.112,160.77 h1.52
  text "NPTH" at 97.313,160.77 h1.52
  text "Round" at 110.162,160.77 h1.52
  text "Top Layer - Bottom Layer" at 128.801,160.77 h1.52
  text "Pad" at 166.89,160.77 h1.52
  text "Rounded" at 181.872,160.77 h1.52
  text "c300hn330" at 200.815,160.77 h1.52
  text "9" at 52.876,156.96 h1.52
  text "25.20mil (0.640mm)" at 68.112,156.96 h1.52
  text "PTH" at 97.313,156.96 h1.52
  text "Round" at 110.162,156.96 h1.52
  text "Top Layer - Bottom Layer" at 128.801,156.96 h1.52
  text "Pad" at 166.89,156.96 h1.52
  text "Rounded" at 181.872,156.96 h1.52
  text "c203h64" at 200.815,156.96 h1.52
  text "16" at 52.876,153.15 h1.52
  text "15.75mil (0.400mm)" at 68.112,153.15 h1.52
  text "PTH" at 97.313,153.15 h1.52
  text "Round" at 110.162,153.15 h1.52
  text "Top Layer - Bottom Layer" at 128.801,153.15 h1.52
  text "Pad" at 166.89,153.15 h1.52
  text "Rounded" at 181.872,153.15 h1.52
  text "c70h40" at 200.815,153.15 h1.52
  text "18" at 52.876,149.34 h1.52
  text "74.80mil (1.900mm)" at 68.112,149.34 h1.52
  text "PTH" at 97.313,149.34 h1.52
  text "Round" at 110.162,149.34 h1.52
  text "Top Layer - Bottom Layer" at 128.801,149.34 h1.52
  text "Pad" at 166.89,149.34 h1.52
  text "(Mixed)" at 181.872,149.34 h1.52
  text "(Mixed)" at 200.815,149.34 h1.52
  text "42" at 52.876,145.53 h1.52
  text "35.43mil (0.900mm)" at 68.112,145.53 h1.52
  text "PTH" at 97.313,145.53 h1.52
  text "Round" at 110.162,145.53 h1.52
  text "Top Layer - Bottom Layer" at 128.801,145.53 h1.52
  text "Pad" at 166.89,145.53 h1.52
  text "(Mixed)" at 181.872,145.53 h1.52
  text "(Mixed)" at 200.815,145.53 h1.52
  text "220" at 52.876,141.72 h1.52
  text "9.84mil (0.250mm)" at 68.112,141.72 h1.52
  text "PTH" at 97.313,141.72 h1.52
  text "Round" at 110.162,141.72 h1.52
  text "Top Layer - Bottom Layer" at 128.801,141.72 h1.52
  text "Via" at 166.89,141.72 h1.52
  text "Rounded" at 181.872,141.72 h1.52
  text "v50h25m0mx0" at 200.815,141.72 h1.52
  text "A" at 39.288,141.466 h1.69
  text "330 Total" at 52.876,137.91 h1.52
  text "Slot definitions :" at 40.027,134.228 h1.52
  text "Routed Path Length" at 66.257,134.228 h1.52
  text "= Calculated from tool start centre position to tool end centre position." at 94.265,134.228 h1.52
  text "Hole Length" at 66.257,131.688 h1.52
  text "= Routed Path Length + Tool Size = Slot length as defined in the PCB layout" at 83.854,131.688 h1.52
  text "FABRICATION NOTES" at 144.634,105.972 h3
  text "1. QUANTITY: 5" at 144.634,100.876 h3
  text "2. SIZE:" at 144.634,95.779 h3
  text "3. LAYERS: 4" at 144.634,90.683 h3
  text "4. SIGNAL LAYERS: 1,4" at 144.634,86.586 h3
  text "a) WEIGHT: 1oz" at 149.634,80.49 h3
  text "5. PLANES: 2" at 144.634,75.394 h3
  text "a) WEIGHT: 1oz" at 149.634,70.297 h3
  text "6. SOLDER MASKS: Blue" at 144.634,65.201 h3
  text "7. SILKSCREEN: White" at 144.634,60.104 h3
  text "8. SURFACE FINISH: HASL (With Lead)" at 144.634,55.008 h3
  text "9 FINISHED COPPER: 1oz Cu" at 144.634,49.912 h3
  text "10. TOTAL THICKNESS: 1.421mm" at 144.634,44.815 h3